# Altium PCB C210.PcbDoc (part 7 of 8)
Units mm, origin at the board's own origin, x right, y up, seen from the top; angles counter-clockwise.
Board outline 68 x 129.25 mm, 6 copper layers (L1, L2, L3, L4, L5, L6), stack 1.547 mm thick; 512 components, 298 nets, 1774 pads, 1892 vias.
Unrouted connection lines stored in the file: 306.
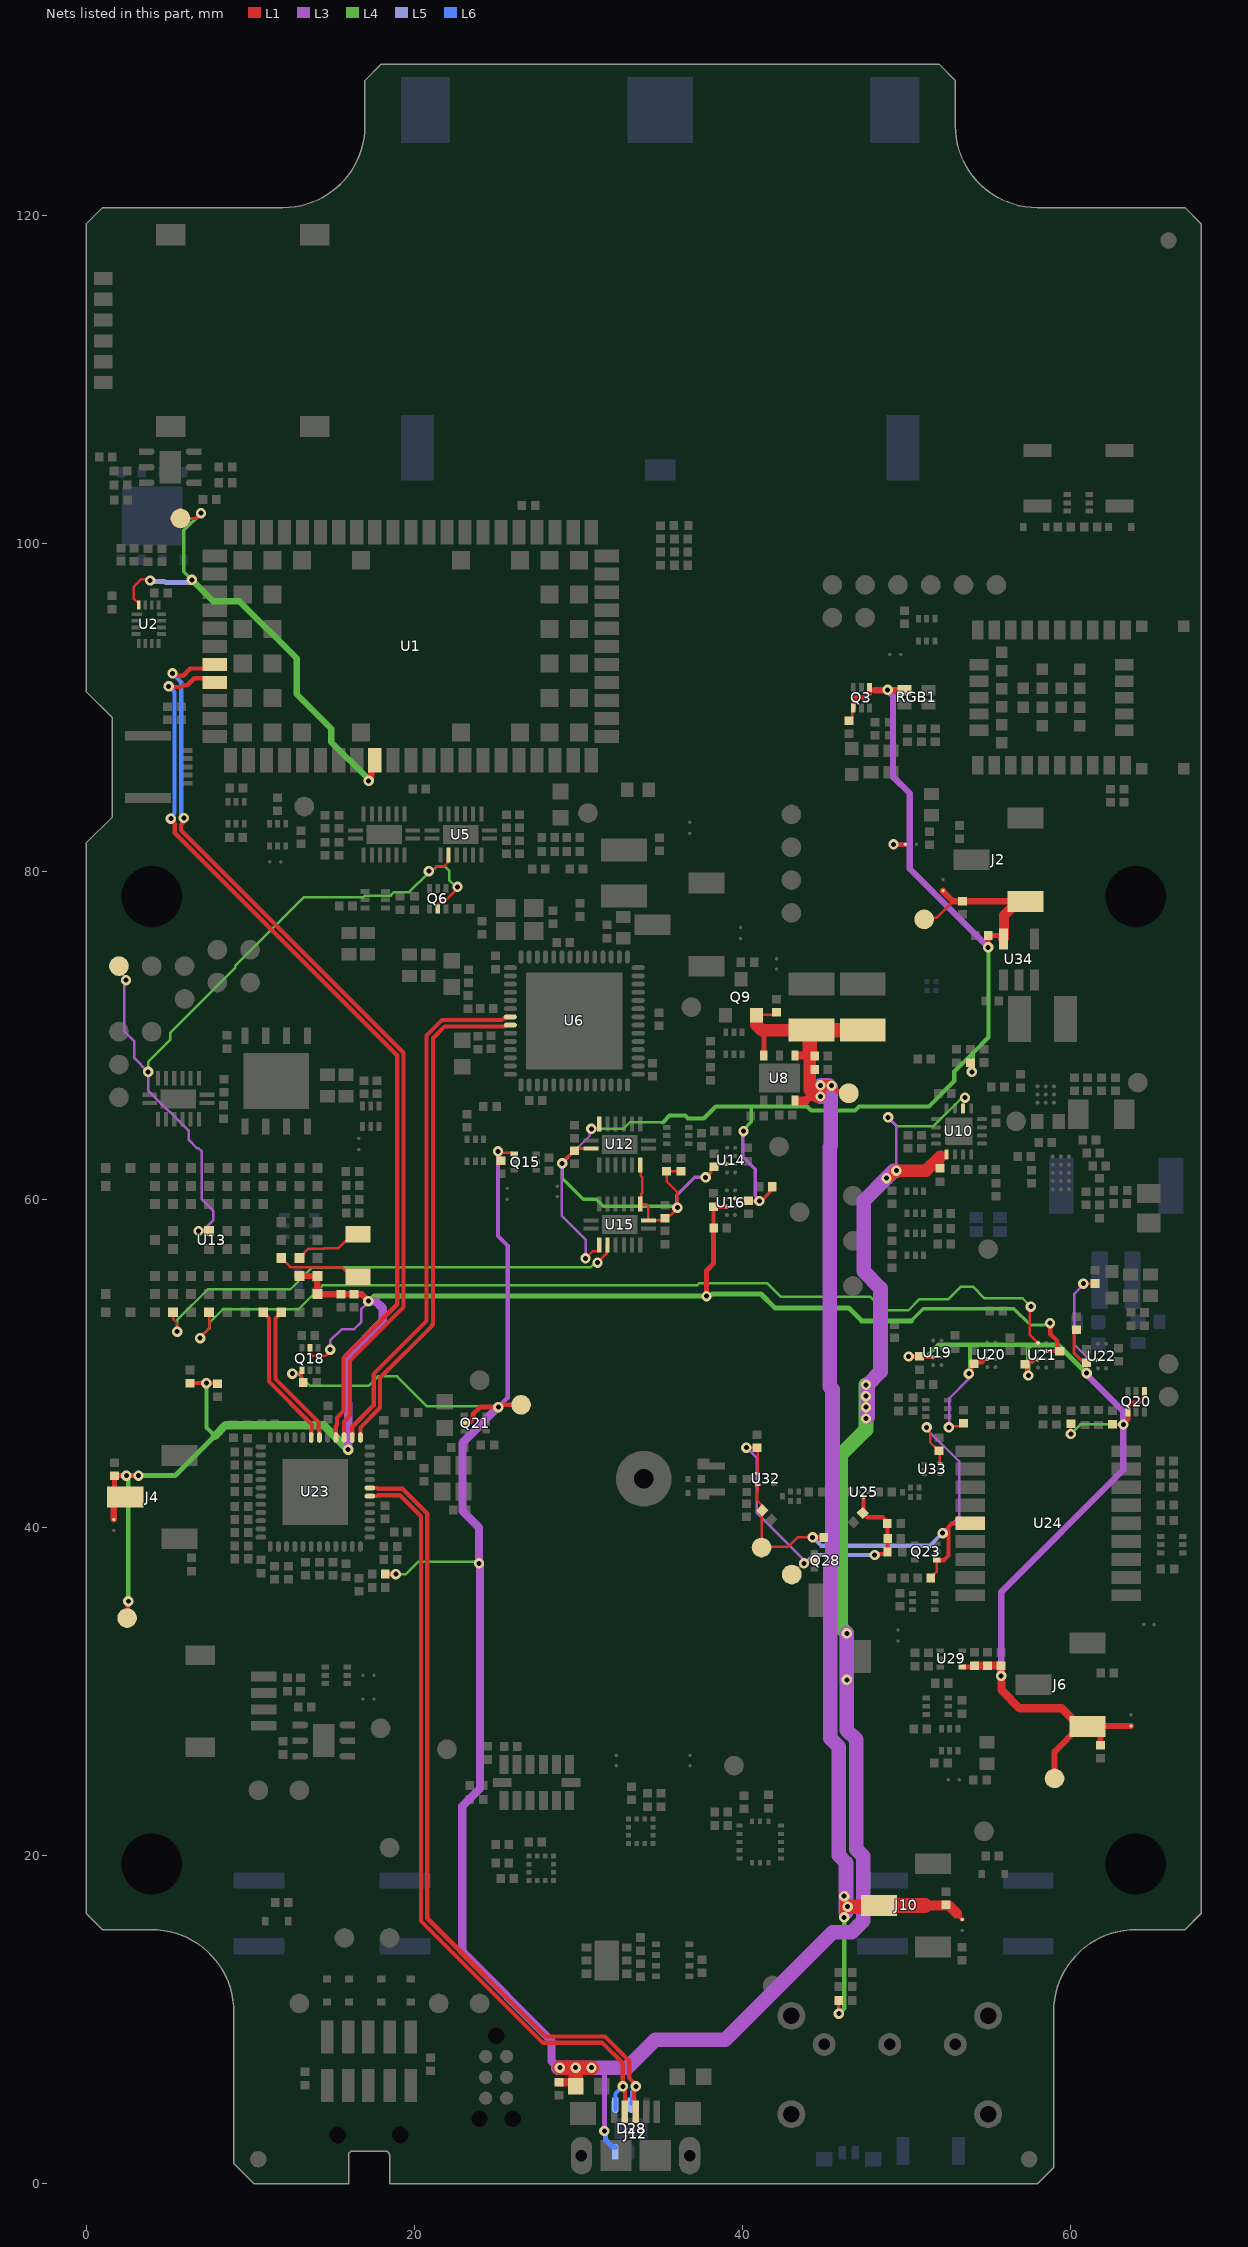
[diagram p11: the nets of this part, all layers, seen from the top]

## Via types
v1: diameter 0.635, hole 0.305, L1 to L6, tented both sides, 1892 vias

## Nets (pads, with @x,y where several pads share a name; then routed paths per layer and width w, separated by ;. In a path a pad name is that pad's centre, name@x,y a point inside that pad or via, vN(x,y) a via of type N, cw(c..) or ccw(c..) an arc to the next point about the centre after c; other vN are vias at no path point) (continued)
TX4: Q6.2 TP15.1 U5.11 U13.G4 | length 49.1
  L1 w0.152: TP15.1@2,74.25 v1(2.429,73.401) ; v1(6.85,58.1) U13.G4@7.5,58.1 ; v1(20.895,80.039) 21.025,80.039 21.168,80.181 21.23,80.181 21.386,80.337 21.829,80.337 22.048,80.556 22.048,80.923 U5.11@22.1,80.975 ; Q6.2@21.442,77.749 21.515,77.823 21.515,78.065 21.675,78.225 21.714,78.225 21.73,78.241 21.904,78.241 22.646,78.983 v1(22.646,79.09)
  L3 w0.152: v1(2.429,73.401) 2.431,73.399 2.325,73.293 2.325,70.275 2.949,69.651 2.949,68.637 v1(3.78,67.806) 3.8,67.806 3.8,66.649 6.262,64.187 6.262,63.643 6.76,63.145 6.86,63.145 7.038,62.966 7.038,60.046 7.76,59.324 7.76,58.773 7.087,58.1 v1(6.85,58.1)
  L4 w0.152: v1(3.78,67.806) 3.78,68.416 5.121,69.757 5.121,70.175 9.106,74.159 9.106,74.289 13.272,78.455 16.9,78.455 16.991,78.546 18.569,78.546 18.783,78.76 19.693,78.76 20.895,79.962 v1(20.895,80.039) ; v1@20.942,80.023 21.072,80.023 21.385,80.336 21.882,80.336 22.138,80.081 22.138,79.512 22.56,79.09 v1(22.646,79.09)
TX5: U13.G9 U21.A1 | length 58.3
  L1 w0.152: v1(6.946,51.57) 6.934,51.582 7.5,52.148 U13.G9@7.5,53.15 ; v1(57.608,53.494) 57.525,53.411 57.525,51.792 U21.A1@58.038,51.278
  L4 w0.152: v1(6.946,51.57) 6.946,51.596 7.5,52.15 7.5,52.494 8.337,53.331 12.955,53.331 14.404,54.779 37.261,54.779 37.405,54.923 41.526,54.923 42.345,54.104 47.798,54.104 48.639,53.263 50.126,53.263 50.81,53.947 52.572,53.947 53.334,54.709 54.065,54.709 54.782,53.991 57.111,53.991 v1(57.608,53.494)
TX6: U13.J9 U15.11 | length 30.4
  L1 w0.152: U13.J9@5.3,53.15 5.3,52.735 5.527,52.508 5.527,51.984 v1(5.549,51.962) ; v1(31.183,56.169) 31.738,56.724 31.738,57.193 U15.11@31.786,57.242
  L4 w0.152: v1(5.549,51.962) 5.549,52.674 7.425,54.55 12.45,54.55 13.797,55.897 30.78,55.897 31.052,56.169 v1(31.183,56.169)
USB_DN1_n: U6.7 U23.2 | length 31.8
  L1 w0.259: U23.2@16.225,45.647 16.225,46.169 17.539,47.483 17.539,49.314 17.549,49.324 17.549,49.41 20.75,52.611 20.75,70.022 21.695,70.967 25.348,70.967 25.445,71.064 25.509,71.064 25.602,71.158 U6.7@25.864,71.158
USB_DN1_p: U6.8 U23.1 | length 31.1
  L1 w0.259: U23.1@16.725,45.647 16.725,46.123 17.925,47.323 17.925,49.155 21.112,52.341 21.112,52.391 21.15,52.43 21.15,69.856 21.861,70.567 25.514,70.567 25.605,70.658 U6.8@25.864,70.658
USB_DN2_n: U1.28 U23.3 | length 56.9
  L1 w0.259: v1(5.265,92.1) 5.367,92.1 5.508,91.959 5.92,91.959 6.353,92.392 7.592,92.392 U1.28@7.85,92.65 ; v1(5.957,83.281) 5.885,83.209 5.885,82.965 5.786,82.866 5.786,82.539 19.354,68.97 19.354,53.475 19.256,53.376 19.256,53.365 16.093,50.202 16.093,46.836 15.725,46.468 15.725,46.307 U23.3@15.725,45.647
  L6 w0.259: v1(5.265,92.1) 5.265,92.094 5.807,91.552 5.807,87.559 5.807,83.533 5.957,83.383 v1(5.957,83.281)
USB_DN2_p: U1.29 U23.4 | length 56.7
  L1 w0.178: 15.252,46.217 15.225,46.244 15.255,46.274 15.255,46.447 15.293,46.485
  L1 w0.259: v1(5.027,91.31) 5.059,91.278 5.815,91.278 5.912,91.375 6.162,91.375 6.595,91.808 7.592,91.808 U1.29@7.85,91.55 ; v1(5.171,83.25) 5.171,83.148 5.4,82.92 5.4,82.379 18.968,68.81 18.968,53.635 15.691,50.357 15.691,47.116 15.293,46.718 15.293,46.485 15.293,46.259 15.252,46.217 15.225,46.19 U23.4@15.225,45.647
  L6 w0.259: v1(5.027,91.31) 5.056,91.31 5.396,90.97 5.396,87.729 5.396,83.576 5.171,83.352 v1(5.171,83.25)
USB_DN3_n: U13.D9 U23.7 | length 8.8
  L1 w0.259: U13.D9@10.8,53.15 10.97,52.979 11.147,52.803 11.147,48.922 13.777,46.291 13.777,46.001 13.733,45.957 13.733,45.655 U23.7@13.725,45.647
USB_DN3_p: U13.C9 U23.6 | length 8.8
  L1 w0.259: U13.C9@11.9,53.125 11.875,53.125 11.73,52.979 11.73,52.955 11.542,52.768 11.542,49.086 14.173,46.455 14.173,46.001 14.217,45.957 14.217,45.655 U23.6@14.225,45.647
USB_UP_1_n: D28.1 J12.2 U23.42 | length 48.9
  L1 w0.259: U23.42@17.3,41.937 17.308,41.945 17.744,41.945 17.794,41.994 19.123,41.994 20.412,40.705 20.412,16.037 27.85,8.6 31.477,8.6 32.725,7.352 v1(32.725,5.95) 32.797,5.878 32.797,5.672 32.859,5.61 32.859,4.404 J12.2@32.85,4.395
  L6 w0.259: D28.1@32.275,4.525 32.275,5.5 v1(32.725,5.95)
USB_UP_1_p: D28.2 J12.3 U23.43 | length 49.3
  L1 w0.259: U23.43@17.3,42.437 17.308,42.429 17.744,42.429 17.794,42.38 19.283,42.38 20.798,40.865 20.798,16.197 28.01,8.986 31.637,8.986 33.111,7.512 33.111,6.466 33.525,6.052 v1(33.525,5.95) 33.453,5.878 33.453,5.672 33.391,5.61 33.391,5.244 33.43,5.206 33.43,4.466 J12.3@33.5,4.395
  L6 w0.259: D28.2@33.225,4.9 33.295,4.97 33.295,5.619 33.525,5.848 v1(33.525,5.95)
V_BAT: C37.1 C45.2 C47.1 C129.1 C142.1 J10.2 NC15.1 Q9.2 R32.2 R126.2 TP28.1 U8.1 U8.3 U8.6 | length 87.5
  L1 w0.152: Q9.2@40.875,71.25 40.917,71.292 R32.2@42.1,71.292
  L1 w0.203: v1(45.895,10.375) 45.9,10.379 45.9,11.171 R126.2@45.904,11.175
  L1 w0.254: v1(45.45,66.966) 45.791,66.625 46.375,66.625 TP28.1@46.5,66.5 ; 53.086,16.489 53.418,16.157 NC15.1@53.418,16.126
  L1 w0.305: 41.213,70.337 41.325,70.225 U8.3@41.325,68.8
  L1 w0.508: U8.6@43.254,66.05 43.876,66.05 44.13,66.304 ; U8.1@43.275,68.8 44.125,68.8 44.389,68.8 C45.2@44.425,68.764 ; v1(46.225,16.25) v1@46.225,17.104 ; v1(46.225,17.55) v1@46.225,17.104 ; v1(46.429,16.9) v1@46.225,17.104
  L1 w0.635: C37.1@44.225,70.35 44.226,70.349 C37.1@44.363,70.212 ; v1(44.775,66.304) v1(44.775,66.987) 45.429,66.987 v1(45.45,66.966) ; 51.175,16.975 52.6,16.975 53.086,16.489
  L1 w0.762: Q9.2@40.875,71.25 40.875,70.675 41.213,70.337 C37.1@44.212,70.337 ; 44.125,68.8 44.125,66.708 44.529,66.304 v1(44.775,66.304)
  L1 w0.889: 44.125,68.8 44.125,70.25 44.212,70.337 C37.1@44.225,70.35 ; C37.1@44.226,70.349 47.354,70.349 C142.1@47.355,70.348 ; v1(46.429,16.9) 48.275,16.9 J10.2@48.35,16.975 51.175,16.975
  L3 w0.889: v1(44.775,66.304) v1(44.775,66.987) 45.278,66.987 45.414,66.851 45.414,63.307 45.348,63.241 45.348,48.597 45.508,48.437 45.508,37.865 45.375,37.732 45.375,27.16 45.889,26.646 45.889,20.028 46.333,19.584 46.333,17.55 46.333,16.558
  L4 w0.254: v1(45.895,10.375) 46.225,10.705 v1(46.225,16.25)
VBUS: C61.1 C132.2 D28.6 FB9.2 Q15.4 Q18.4 Q21.2 R49.1 R80.1 R100.1 TP49.1 U10.6 U10.13 | length 187.9
  L1 w0.152: v1(12.575,49.404) 12.642,49.471 13,49.471 Q18.4@13.15,49.621 ; Q18.4@13.15,49.696 Q18.4@13.15,49.621 ; R80.1@13.25,48.85 13.15,48.95 Q18.4@13.15,49.621 ; v1(25.112,62.953) 25.282,62.953 25.296,62.968 R49.1@25.296,62.386 ; v1@25.32,62.991 25.437,62.874 26.026,62.874 Q15.4@26.097,62.804 ; U10.6@53.468,65.573 53.512,65.617 53.512,66.159 v1(53.589,66.236)
  L1 w0.203: 52.168,62.725 52.42,62.725 U10.13@52.468,62.773
  L1 w0.254: v1(25.132,47.362) 25.227,47.362 25.369,47.504 TP49.1@26.523,47.504
  L1 w0.305: R100.1@18.24,37.178 v1(18.88,37.178) ; Q21.2@23.053,46.388 23.06,46.381 23.351,46.381 23.582,46.612 23.582,46.919 24.026,47.363 25.131,47.363 v1(25.132,47.362)
  L1 w0.508: C132.2@28.821,6.2 28.827,6.194 29.626,6.194 29.843,5.977 FB9.2@29.847,5.973 ; v1(48.8,61.325) 48.975,61.325 49.4,61.75 v1(49.4,61.775) ; C61.1@52.065,61.915 52.065,62.622 52.168,62.725
  L1 w0.762: v1(49.4,61.775) 51.218,61.775 52.065,62.622
  L1 w0.889: v1(28.89,7.083) v1(29.843,7.083) ; FB9.2@29.843,5.977 v1(29.843,7.083) ; v1(30.817,7.083) v1(29.843,7.083)
  L3 w0.152: v1(48.903,65.03) 48.903,65.022 49.4,64.525 v1(49.4,61.775)
  L3 w0.254: v1(25.112,62.953) 25.112,57.797 25.703,57.206 25.703,47.933 v1(25.132,47.362)
  L3 w0.305: v1(31.6,3.225) 31.6,7.083
  L3 w0.508: v1(25.132,47.362) 25.124,47.362 22.951,45.189 22.951,41.025 23.954,40.021 23.954,37.799 24.018,37.735 24.018,24.121 22.935,23.039 22.935,14.165 28.375,8.725 28.375,7.485 v1@28.776,7.083
  L3 w0.635: v1(47.55,46.668) 47.65,46.768 v1@47.65,46.779
  L3 w0.889: v1@28.776,7.083 v1(28.89,7.083) v1(29.843,7.083) v1(30.817,7.083) 31.6,7.083 33,7.083 34.692,8.775 38.975,8.775 45.538,15.338 46.673,15.338 47.375,16.039 47.375,19.98 46.95,20.404 46.95,27.099 46.391,27.658 v1(46.391,30.736) v1(46.391,33.568) ; v1@47.65,46.779 47.65,48.725 48.435,49.51 48.435,54.615 47.406,55.644 47.406,59.931 v1(48.8,61.325) 49.25,61.775 v1(49.4,61.775)
  L4 w0.152: v1(12.575,49.404) 12.913,49.404 13.667,48.65 17.206,48.65 17.788,49.232 18.958,49.232 20.79,47.401 25.093,47.401 v1(25.132,47.362) ; v1(18.88,37.178) 19.503,37.178 20.272,37.947 23.624,37.947 23.645,37.925 23.862,37.925 v1(23.954,37.833) ; v1(48.903,65.03) 48.903,64.997 49.4,64.5 51.675,64.5 53.266,66.091 53.314,66.091 53.458,66.236 v1(53.589,66.236)
  L4 w0.889: v1(46.391,30.736) v1(46.391,33.568) 46.017,33.942 46.017,44.449 47.55,45.982 v1(47.55,46.668) v1(47.55,47.36) 47.55,48.017 v1(47.537,48.029) 47.537,48.713 v1(47.55,48.725)
  L6 w0.305: v1(31.6,3.225) 31.663,3.162 31.663,2.687 32.107,2.243 32.257,2.243 D28.6@32.275,2.225
VCC_MAX: C77.1 C79.1 C80.1 C81.1 C121.1 C122.2 C123.1 C128.1 J6.3 NC13.2 Q20.1 Q20.4 R68.2 R70.1 R84.1 R85.1 R86.1 TP42.1 U19.B2 U20.C1 U21.C1 U22.B2 U29.4 | length 83.7
  L1 w0.152: v1(52.599,46.124) 52.671,46.195 53.304,46.195 R84.1@53.488,46.379 ; R85.1@60.038,46.354 60.038,45.729 v1(60.044,45.723) ; v1(60.811,54.886) 61.399,54.886 R68.2@61.443,54.842 ; R86.1@62.588,46.329 63.213,46.329 v1(63.238,46.304)
  L1 w0.203: R70.1@60.4,52.05 60.363,52.05 60.236,51.923 60.236,50.651 C81.1@61,49.888 ; v1(61,49.428) C81.1@61,49.888 ; U22.B2@61.677,50.225 61.292,50.225 61.279,50.211 61.158,50.211 61,50.053 C81.1@61,49.888
  L1 w0.254: v1(50.149,50.45) C77.1@50.821,50.45 ; C77.1@50.888,50.425 U19.B2@51.65,50.425 ; v1(53.829,49.4) 53.829,49.503 53.977,49.651 53.977,49.876 54.11,50.009 C79.1@54.125,50.009 54.216,50.1 54.618,50.1 54.818,50.3 U20.C1@54.95,50.3 ; v1(57.45,49.29) 57.377,49.363 57.377,49.868 C80.1@57.26,49.985 57.393,50.118 57.678,50.118 57.838,50.278 U21.C1@58.038,50.278 ; v1(63.238,46.304) 63.55,46.616 63.55,47.025 Q20.4@63.525,47.05 63.55,47.075 63.55,47.394 63.806,47.65 64.2,47.65 64.5,47.95 64.5,48.275 Q20.1@64.525,48.3
  L1 w0.305: U29.4@53.425,31.506 54.075,31.506 C122.2@54.175,31.606
  L1 w0.381: TP42.1@59.05,24.725 59.05,26.354 60.593,27.897 J6.3@61.058,27.897 61.086,27.925 J6.3@61.372,27.925 ; C123.1@61.845,26.743 61.845,27.452 J6.3@61.372,27.925 ; NC13.2@63.711,27.925 J6.3@61.372,27.925
  L1 w0.508: C122.2@54.175,31.606 C121.1@54.975,31.606 C128.1@55.788,31.606 ; C128.1@55.788,31.6 v1(55.788,30.981) 55.813,30.957 55.813,30.109 56.925,28.996 59.494,28.996 J6.3@60.593,27.897
  L3 w0.152: v1(52.599,46.124) 52.628,46.152 52.628,47.892 53.808,49.071 53.808,49.378 v1(53.829,49.4) ; v1(60.811,54.886) 60.811,54.832 60.251,54.272 60.251,51.189 61,50.44 v1(61,49.428)
  L3 w0.381: v1(55.788,30.981) 55.794,30.987 55.794,36.087 63.238,43.532 63.238,47.114 61.049,49.303 61.049,49.38 v1(61,49.428)
  L4 w0.152: v1(60.044,45.723) 60.626,46.304 v1(63.238,46.304)
  L4 w0.254: v1(50.149,50.45) 51.241,50.45 51.961,51.17 53.977,51.17 ; v1(53.829,49.4) 53.9,49.471 53.9,51.093 53.977,51.17 ; v1(57.45,49.29) 57.45,50.939 57.656,51.144 57.63,51.17 53.977,51.17
  L4 w0.305: 57.656,51.144 59.284,51.144 v1(61,49.428)
VCC_MAX_LNA: C104.1 C106.2 C107.2 L3.2 Q28.2 R129.2 TP37.1 U25.1 U32.4 | length 22.4
  L1 w0.152: v1(40.261,44.897) 40.878,44.897 R129.2@40.9,44.875 40.95,44.825 U32.4@40.95,43.333 ; TP37.1@43.025,37.154 43.058,37.154 43.737,37.833 v1(43.77,37.833) 43.901,37.833 43.994,37.926 44.326,37.926 Q28.2@44.4,38
  L1 w0.254: U25.1@47.4,41.874 47.4,40.944 C104.1@47.358,40.902 47.372,40.902 47.625,40.65 48.551,40.65 48.857,40.344 48.857,39.352 L3.2@48.857,38.529 48.743,38.415 48.159,38.415 v1(48.086,38.342)
  L3 w0.152: v1(40.261,44.897) 40.9,44.258 40.9,40.9 43.678,38.122 43.678,37.925 v1(43.77,37.833)
  L5 w0.254: v1(43.77,37.833) 43.835,37.833 44.345,38.342 v1(48.086,38.342)
VCC_MAX_RF: C92.1 C93.1 Q23.4 R109.2 R128.2 TP39.1 U24.14 U32.6 U33.6 | length 32.3
  L1 w0.152: U32.6@40.95,42.633 40.95,42.191 40.907,42.147 40.907,41.683 41.181,41.408 41.181,41.395 41.238,41.339 41.238,40.819 41.181,40.762 TP39.1@41.181,38.8 41.224,38.843 42.805,38.843 43.383,39.421 v1(44.299,39.421) ; v1(51.253,46.124) 51.253,46.009 51.469,45.793 51.469,45.214 51.716,44.967 51.723,44.967 51.991,44.7 C93.1@52.006,44.7 52.064,44.641 U33.6@52.064,43.933 ; R109.2@51.513,36.954 51.863,37.304 Q23.4@51.863,38.029
  L1 w0.254: v1(44.299,39.421) 44.302,39.423 44.973,39.423 R128.2@44.975,39.425 ; Q23.4@51.863,38.029 52.308,38.029 52.588,38.31 52.588,39.677 ; v1(52.225,39.677) 52.588,39.677 ; U24.14@53.913,40.279 52.813,40.279 52.588,40.054 52.588,39.677
  L3 w0.152: v1(51.253,46.124) 51.253,46.032 53.225,44.06 53.225,40.677 v1(52.225,39.677)
  L5 w0.254: v1(44.299,39.421) 44.806,38.914 51.462,38.914 v1(52.225,39.677)
VCC_NINA: C35.1 C59.1 C60.1 C64.1 C67.1 C95.1 J2.3 NC3.1 NC5.2 Q3.1 Q3.4 R10.2 R33.1 R48.1 R51.1 R52.1 RGB1.4 TP12.1 U12.1 U12.7 U12.15 U14.C1 U15.1 U15.2 U15.10 U16.C1 U34.5 | length 118.1
  L1 w0.152: C59.1@29.789,63.004 C59.1@29.916,63.131 ; v1(30.45,56.43) 30.453,56.43 30.892,56.868 31.237,56.868 31.286,56.917 U15.10@31.286,57.242 ; v1(30.801,64.325) 31.237,64.325 31.286,64.374 U12.15@31.286,64.631 ; U12.7@33.786,62.371 33.786,61.883 33.816,61.854 33.816,61.459 33.921,61.354 33.921,60.437 33.835,60.352 33.835,59.79 U15.2@33.786,59.742 34.15,59.742 34.286,59.605 U15.1@34.286,58.742 35.173,58.742 C64.1@35.301,58.869 35.484,59.053 35.624,59.053 36.025,59.453 v1@36.025,59.53 ; R51.1@35.401,61.74 35.401,61.131 36.045,60.486 v1(36.045,59.53) ; R51.1@35.403,61.74 R52.1@36.268,61.74 ; R10.2@46.51,89.225 46.725,89.44 46.725,89.778 46.775,89.828 Q3.4@46.775,90 ; TP12.1@51.1,77.105 51.181,77.186 51.839,77.186 52.853,78.201
  L1 w0.203: v1(29.025,62.225) 29.025,62.298 29.419,62.692 29.463,62.692 29.774,63.004 C59.1@29.789,63.004 ; C59.1@29.916,63.131 U12.1@30.786,63.131 ; v1(37.779,61.377) 37.788,61.377 38.079,61.667 38.079,61.865 38.237,62.023 38.252,62.023 38.396,62.167 39.071,62.167 U14.C1@39.079,62.175 ; U16.C1@39.566,60.081 39.574,60.073 40.25,60.073 C67.1@40.385,59.938 40.389,59.933 41.045,59.933 v1(41.05,59.928) 41.161,59.928 41.692,60.459 41.692,60.64 R48.1@41.85,60.798
  L1 w0.254: v1(49.229,81.675) NC3.1@49.949,81.675
  L1 w0.305: Q3.4@46.775,90 46.775,90.475 46.924,90.624 47.549,90.624 47.775,90.85 Q3.1@47.775,91.075 ; Q3.1@47.775,91.25 Q3.1@47.775,91.075 ; 48.05,91.075 Q3.1@47.775,91.075 ; R33.1@54,68.309 53.959,68.267 53.959,67.85 v1(54.004,67.804) ; v1(55,75.4) 55,76.111 C95.1@55.018,76.13 55.802,76.13 55.925,76.007 U34.5@55.925,75.908
  L1 w0.381: 48.05,91.075 48.854,91.075 v1(48.875,91.096) ; v1@48.875,91.075 RGB1.4@49.9,91.075 ; NC5.2@52.25,78.849 52.227,78.827 52.853,78.201 53.436,78.201 56.81,78.201 J2.3@57.275,78.201 57.931,78.201 J2.3@58.025,78.107
  L1 w0.635: U34.5@55.925,75.908 55.967,75.951 55.967,77.358 J2.3@56.81,78.201
  L3 w0.152: v1(30.45,56.43) 30.45,57.575 29.009,59.016 29.009,59.324 29.009,62.209 v1(29.025,62.225) 30.709,63.909 30.709,64.234 v1(30.801,64.325)
  L3 w0.203: v1(36.045,59.53) 36.025,59.53 36.009,59.546 36.009,60.284 37.102,61.377 v1(37.779,61.377) ; v1(40.084,64.194) 40.028,64.138 40.028,62.636 40.796,61.868 40.796,60.263 41.05,60.01 v1(41.05,59.928)
  L3 w0.254: v1(49.229,81.675) 50.217,81.675
  L3 w0.381: v1(48.875,91.096) 48.875,91.075 49.2,90.75 49.2,85.796 50.217,84.78 50.217,81.675 50.217,80.187 55,75.404 v1(55,75.4)
  L4 w0.152: v1(30.801,64.325) 32.751,64.325 33.147,64.721 35.163,64.721
  L4 w0.203: v1(29.025,62.225) 29.025,61.308 30.302,60.031 31.114,60.031 31.532,59.612 35.943,59.612 36.025,59.53 v1(36.045,59.53) ; v1(40.084,64.194) 40.084,64.285 40.55,64.751 40.55,65.7 ; v1(54.004,67.804) 54.083,67.883 54.083,68.324 54.095,68.336 54.095,68.982
  L4 w0.254: 35.163,64.721 35.576,65.133 36.528,65.133 36.708,64.953 37.66,64.953 38.392,65.685 38.716,65.685 38.731,65.7 40.55,65.7 43.965,65.7 44.212,65.453 46.875,65.453 47.122,65.7 51.388,65.7 52.935,67.247 52.935,67.822 54.095,68.982 55.025,69.913 55.025,75.375 v1(55,75.4)
VDD_NORA: C68.2 C69.2 C70.2 C75.2 C86.1 J4.2 NC9.1 Q18.2 R63.1 R78.1 R79.2 TP36.1 U13.A7 U13.A8 U13.B7 U16.B2 U21.B2 | length 108.9
  L1 w0.152: Q18.2@13.65,50.971 13.65,50.654 13.815,50.489 14.593,50.489 14.882,50.778 v1(14.882,50.868)
  L1 w0.203: J4.2@1.744,42.412 2.277,41.878 J4.2@2.385,41.878
  L1 w0.254: TP36.1@2.5,34.5 2.536,34.536 2.536,35.489 v1(2.572,35.525) ; R78.1@6.32,48.825 v1(7.329,48.825) 7.986,48.825 R79.2@8.011,48.8 ; C68.2@38.261,59.593 C68.2@38.263,59.591 ; R63.1@38.265,58.296 38.263,58.298 C68.2@38.263,59.591 ; U16.B2@39.066,59.581 38.274,59.581 C68.2@38.263,59.591 ; U21.B2@58.538,50.778 59.319,50.778 C75.2@59.336,50.795 ; v1(58.772,52.482) 58.792,52.462 58.792,51.808 59.218,51.382 59.218,50.913 C75.2@59.336,50.795 ; C75.2@59.36,50.82 C75.2@59.336,50.795 ; C75.2@59.366,50.78 59.351,50.78 C75.2@59.336,50.795
  L1 w0.305: J4.2@1.744,42.412 C86.1@1.744,43.178 v1(2.448,43.178) v1(3.194,43.178) ; v1(37.825,54.123) 37.825,55.685 38.265,56.125 R63.1@38.265,58.296
  L1 w0.381: NC9.1@1.689,40.51 J4.2@1.689,41.497 ; U13.B7@13,55.35 U13.A7@14.1,55.35 U13.A8@14.1,54.25 C70.2@16.34,54.25 16.81,54.25 17.21,53.85 v1(17.21,53.824)
  L1 w0.508: J4.2@1.689,41.497 2.07,41.878 J4.2@2.277,41.878
  L3 w0.152: v1(14.882,50.868) 14.882,51.412 15.595,52.125 16.35,52.125 16.783,52.558 16.783,53.351 17.21,53.778 v1(17.21,53.824)
  L3 w0.508: v1(15.975,44.775) 15.975,47.587 15.913,47.649 15.913,50.426 18.087,52.6 18.087,53.391 17.654,53.824 v1(17.21,53.824)
  L4 w0.203: 50.317,52.628 51.052,53.363 56.572,53.363 57.565,52.37 58.437,52.37 58.466,52.399 58.69,52.399 v1(58.772,52.482)
  L4 w0.254: v1(2.448,43.178) 2.448,43.075 2.572,42.951 v1(2.572,35.525) ; v1(7.329,48.825) 7.343,48.811 7.343,46.107 7.846,45.604
  L4 w0.305: v1(2.448,43.178) v1(3.194,43.178) 5.421,43.178 7.846,45.604 ; v1(17.21,53.824) 17.255,53.824 17.554,54.123 v1(37.825,54.123) 37.888,54.186 38.095,54.186 38.169,54.26 41.15,54.26 41.991,53.42 46.5,53.42 47.291,52.628 50.317,52.628
  L4 w0.508: 7.846,45.604 8.508,46.266 14.484,46.266 v1(15.975,44.775)
VSIM: TP1.1 U1.41 U2.16 | length 30.3
  L1 w0.152: U2.16@3.211,96.275 3.211,96.364 2.9,96.675 2.9,97.373 3.377,97.85 3.818,97.85 v1(3.905,97.762) ; U1.41@17.422,86.622 U1.41@17.6,86.8
  L1 w0.203: TP1.1@5.75,101.55 6.655,101.55 6.98,101.875 v1(7.005,101.875)
  L1 w0.381: v1(17.225,85.554) 17.225,85.623 17.39,85.788 17.39,86.59 U1.41@17.422,86.622
  L4 w0.203: v1(6.45,97.8) 5.95,98.3 5.95,100.82 v1(7.005,101.875)
  L4 w0.381: v1(6.45,97.8) 7.75,96.5 9.347,96.5 12.836,93.011 12.836,90.839 14.947,88.728 14.947,87.911 17.098,85.76 17.098,85.75 17.225,85.623 v1(17.225,85.554)
  L5 w0.305: v1(3.905,97.762) 3.953,97.714 4.767,97.714 4.832,97.649 6.299,97.649 v1(6.45,97.8)
XL1: U13.C6 X1.1 | length 4.7
  L1 w0.152: U13.C6@11.9,56.45 12.45,55.9 15.58,55.9 X1.1@16.155,55.325
XL2: U13.B6 X1.2 | length 4.2
  L1 w0.152: U13.B6@13,56.45 13.571,57.021 14.495,57.021 14.514,57.04 15.357,57.04 16.217,57.9 X1.2@16.575,57.9
pads on no net: A1.2 A1.3 A1.4 A1.5 A1.6 D1.5 D20.4 D20.5 D28.4 D28.5 ESIM.2 ESIM.4 ESIM.5 FD1.1 FD2.1 FD3.1 FD4.1 FD5.1 FD6.1 J11.7 J11.8 J11.MH1 J12.4 J13.1 J13.3 J13.5 J15.MH1 P1.C6 Q14.6 Q16.3 Q27.3 Q28.3 SW1.3 U1.2 U1.16 U1.19 U1.21 U1.24 U1.31 U1.34 U1.35 U1.36 U1.37 U1.44 U1.45 U1.47 U1.48 U1.49 U1.62 U2.10 U3.2 U3.3 U3.4 U3.5 U3.11 U3.13 U3.15 U3.24 U3.25 U3.28 U3.29 U3.31 U3.32 U3.33 U3.34 U3.35 U3.36 U4.17 U5.17 U6.1 U6.17 U6.18 U6.19 U6.20 U6.26 U6.27 U6.28 U6.29 U6.30 U6.39 U6.40 U6.47 U6.48 U6.49 U6.51 U6.52 U6.53 U6.54 U6.55 U6.56 U7.9 U9.17 U10.12 U12.17 U13.A6 U13.J1 U13.J4 U13.J5 U13.K1 U13.K9 U15.17 U17.EPAD U23.11 U23.12 U23.15 U23.19 U23.21 U23.27 U24.15 U26.3 U26.9 U26.10 U26.11 U27.7 U28.8 U30.11 U31.2 U35.B2 U35.C3
copper on no net: | length 309.4
  L1 w0.2: 204.513,27.571 227.881,27.571 227.881,29.984 204.513,29.984 204.513,27.571
  L3 w0.2: 204.513,21.526 227.881,21.526 227.881,23.939 204.513,23.939 204.513,21.526
  L4 w0.2: 204.513,18.529 227.881,18.529 227.881,20.942 204.513,20.942 204.513,18.529
  L2 w0.2: 204.513,24.574 204.513,26.987 227.881,26.987 227.881,24.574 204.513,24.574
  L5 w0.2: 204.513,15.43 204.513,17.843 227.881,17.843 227.881,15.43 204.513,15.43
  L6 w0.2: 204.513,12.458 227.881,12.458 227.881,14.871 204.513,14.871 204.513,12.458

## Polygon pours and split planes (outlines as drawn)
no net on Bottom Overlay "NONET_L01_P-001" (hatched 45Degree grid 1 track 0.203): 59.313,64.5 8.313,64.5 8.313,97.5 59.313,97.5